# KiCad board mtr_led_system_map.kicad_pcb (continued)
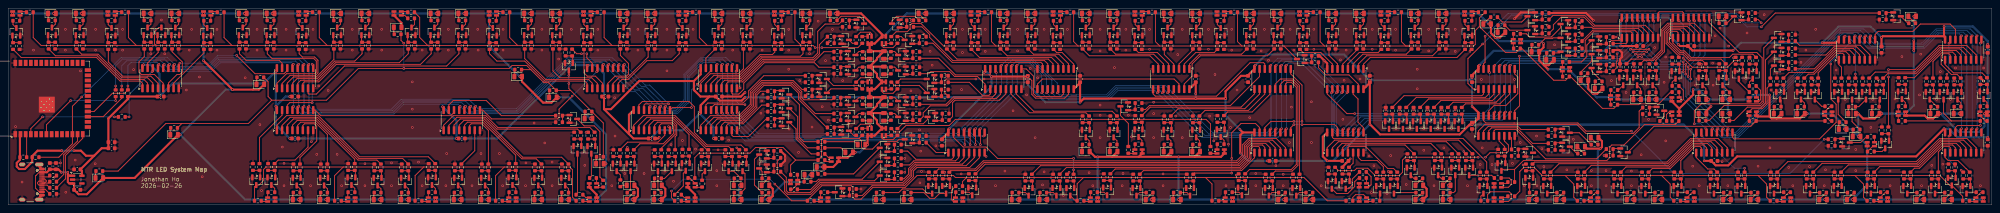
[diagram p0: board, top side]
## Routing (per net, layer and track width the routed paths; a pad name or vN(x,y) marks a point on that pad's centre or on a via; arc(x,y) is an arc through that point) (continued)
/S21/LED_3: length 2.1
  Top w0.2: Q174.3 477.82,25.04 R85.1
/S21/LED_4: length 2.7
  Top w0.2: R86.1 471.96,24.1 Q171.3
/S21/LED_5: length 2.1
  Top w0.2: R68.1 464.22,25.14 Q172.3
/S21/LED_6: length 1.8
  Top w0.2: R88.1 457.82,25.69 Q173.3
/S21/LED_7: length 3.3
  Top w0.2: Q169.3 452.84,24.1 R89.1
/S21/LED_8: length 3
  Top w0.2: R69.1 458.54,13.1 Q170.3
/S22/LED 1/IN: length 12.8
  Top w0.2: U25.15 449.22,41.12 v1(449.5,41.4) ; v1(452,32.1) 452,31.12
  Bottom w0.2: v1(449.5,41.4) 450.1,41.4 452,39.5 452,32.3 452,32.4 v1(452,32.1)
/S22/LED 2/IN: length 4.8
  Top w0.2: U25.1 447.95,34.44 448.6,33.8 448.6,31.12
/S22/LED 3/IN: length 11
  Top w0.2: 442.9,31.12 442.9,32.45 447.65,37.2 448.9,37.2 449.22,36.87 U25.2
/S22/LED 4/IN: length 15.2
  Top w0.2: 439.5,31.12 440.47,32.1 441.9,32.1 447.4,37.6 449.7,37.6 450.5,36.8 U25.3
/S22/LED 5/IN: length 21.9
  Top w0.2: 434.4,31.12 435.77,32.5 441.7,32.5 447.2,38 450.6,38 451.76,36.83 U25.4
/S22/LED 6/IN: length 19.7
  Top w0.2: R605.1 442,33.4 447,38.4 451.5,38.4 453.03,36.86 U25.5
/S22/LED 7/IN: length 19.8
  Top w0.2: R597.1 444.8,36.8 446.8,38.8 452.3,38.8 454.3,36.79 U25.6
/S22/LED 8/IN: length 20.8
  Top w0.2: U25.7 455.57,36.82 453.2,39.2 438.32,39.2 R599.1
/S22/LED_1: length 8.2
  Top w0.2: Q184.3 451.2,20.42 R53.1
/S22/LED_2: length 6.4
  Top w0.2: Q183.3 447.8,22.22 R54.1
/S22/LED_3: length 3.2
  Top w0.2: R35.1 443.76,24.2 Q182.3
/S22/LED_4: length 2.1
  Top w0.2: R56.1 439.52,25.04 Q179.3
/S22/LED_5: length 1.9
  Top w0.2: R57.1 433.82,25.64 Q180.3
/S22/LED_6: length 3.4
  Top w0.2: 431.2,31.12 431.2,33.34 Q181.3
/S22/LED_7: length 24
  Top w0.2: R59.1 422.3,20.7 425.6,24 429,24 430,25 430,35.54 Q177.3
/S22/LED_8: length 32.9
  Top w0.2: Q178.3 429.6,38.54 429.6,25.2 428.8,24.4 419.9,24.4 416.2,20.7 R60.1
/S23/DATA_IN: length 16.5
  Top w0.2: U12.9 368.64,32.15 369.4,31.4 369.4,27.3 366.5,24.4 363.6,24.4 362.29,23.09 U26.14
/S23/LED 1/IN: length 94.4
  Top w0.2: U26.15 361.02,20.67 361.6,20.1 368.5,20.1 384.1,20.1 386.1,18.1 v1(397.2,18.1) ; R627.1 v1(444.4,16.1)
  Bottom w0.2: v1(397.2,18.1) 407.6,7.7 436,7.7 v1(444.4,16.1)
/S23/LED 2/IN: length 48
  Top w0.2: U26.1 359.75,18.15 361.3,19.7 383.9,19.7 386.1,17.5 397.6,17.5 399.1,19 399.1,23.02 R625.1
/S23/LED 3/IN: length 17.9
  Top w0.2: R623.1 370.2,18.5 369.4,19.3 362.2,19.3 361.02,18.12 U26.2
/S23/LED 4/IN: length 17.7
  Top w0.2: R617.1 373,15.1 369.2,18.9 363,18.9 362.29,18.19 U26.3
/S23/LED 5/IN: length 32.9
  Top w0.2: U26.4 363.56,18.16 363.9,18.5 369,18.5 376.2,11.3 388.67,11.3 R619.1
/S23/LED 6/IN: length 3.9
  Top w0.2: 366.2,13.62 366.2,14.3 364.83,15.66 U26.5
/S23/LED 7/IN: length 52.1
  Top w0.2: v1(359.7,11.7) 341.9,11.7 341.2,11 341.2,8 340.4,7.2 334.5,7.2 332.7,9 330,9 329.4,8.4 325.52,8.4 R613.1 ; v1(361.5,11.7) 362.6,12.8 366.7,12.8 367.1,13.2 367.1,14.7 366.1,15.69 U26.6
  Bottom w0.2: v1(361.5,11.7) v1(359.7,11.7)
/S23/LED 8/IN: length 3.5
  Top w0.2: U26.7 367.88,16.42 R615.1
/S23/LED_2: length 2.9
  Top w0.2: R188.1 405.24,21.66 Q191.3
/S23/LED_3: length 6.4
  Top w0.2: R197.1 384.47,17.7 Q190.3
/S23/LED_4: length 2.6
  Top w0.2: R198.1 383.84,12.6 Q187.3
/S24/LED 1/IN: length 80.9
  Top w0.2: v1(429,44.7) 428.2,45.5 R403.1 ; U12.15 361.02,34.62 361.4,35 v1(361.4,41.4)
  Bottom w0.2: v1(361.4,41.4) 367,47 422.8,47 425.1,44.7 v1(429,44.7)
/S24/LED 2/IN: length 116.9
  Top w0.2: U12.1 358.57,28.42 357.2,29.8 357.2,35.9 v1(360.8,39.5) ; R401.1 432.4,47.1 v1(429,43.7)
  Bottom w0.2: v1(429,43.7) 425.5,43.7 422.6,46.6 367.9,46.6 v1(360.8,39.5)
/S24/LED 3/IN: length 24.9
  Top w0.2: U12.2 361.02,27.22 360.6,26.8 341.57,26.8 R399.1
/S24/LED 4/IN: length 22.8
  Top w0.2: U12.3 362.29,27.19 361.5,26.4 344.57,26.4 R393.1
/S24/LED 5/IN: length 20.7
  Top w0.2: R395.1 347.57,26 362.4,26 363.56,27.16 U12.4
/S24/LED 6/IN: length 18.5
  Top w0.2: R397.1 350.57,25.6 363.2,25.6 364.83,27.23 U12.5
/S24/LED 7/IN: length 16.4
  Top w0.2: R389.1 353.57,25.2 364.1,25.2 366.1,27.2 U12.6
/S24/LED 8/IN: length 14.3
  Top w0.2: U12.7 367.38,27.17 365,24.8 356.57,24.8 R391.1
/S24/LED_1: length 2.6
  Top w0.2: Q80.3 420.56,44.6 R173.1
/S24/LED_2: length 2.6
  Top w0.2: Q79.3 464.84,44.6 R174.1
/TCL_Y1: length 171.3
  Top w0.2: 137.62,28.1 137.2,28.52 v1(137.2,29.8) ; 137.62,28.1 R149.1 145.62,20.1 R150.1 ; 137.62,28.1 R148.1 132.22,30 131.1,30 127.9,33.2 ; R145.1 63.6,30.22 63.6,26.6 64.5,25.7 ; 64.5,25.7 58.8,20 42.52,20 ; 64.5,25.7 77.9,25.7 85.7,33.5 v1(96.8,33.5) 122.6,33.5 123.3,34.2 126.9,34.2 127.9,33.2 ; 42.52,20 R144.1 ; 42.52,20 38.6,20 26.9,8.3 R143.1 ; 127.9,33.2 R147.1 ; 96.12,41.9 96.12,40.37 v1(96.8,39.7) ; Q24.3 v1(137.2,31.8)
  Bottom w0.2: v1(137.2,31.8) v1(137.2,29.8) ; v1(96.8,39.7) v1(96.8,33.5)
/TKL_Y1: length 24.4
  Top w0.2: R84.1 475.5,20.6 ; 475.5,20.6 R87.1 ; 475.5,20.6 473.6,22.5 Q176.3
/TKL_Y2: length 4.9
  Top w0.2: Q192.3 453.3,15.3 454.7,16.7 R90.1
/TKL_Y3: length 51.4
  Top w0.2: Q188.3 402.74,19.3 426.42,19.3 R58.1 R55.1
/TKL_Y4: length 53.1
  Top w0.2: 368.62,8.72 370.8,10.9 391.2,10.9 391.9,11.6 391.9,14.2 392.4,14.7 395.4,14.7 400.4,19.7 407.92,19.7 R196.1 ; 368.62,8.72 365.76,8.72 Q189.3 ; 368.62,8.72 R136.1
/TKL_Y5: length 9.5
  Top w0.2: R141.1 330.4,6.6 329.5,5.7 329.5,4.5 327.8,2.8 325.06,2.8 Q185.3
/TWL_Y1: length 288.8
  Top w0.2: 76.12,47.3 76.12,41.07 78.1,39.1 ; 54.8,39.1 78.1,39.1 ; 54.8,39.1 36.2,39.1 ; 54.8,39.1 52.82,41.07 R15.1 ; 78.1,39.1 102.7,39.1 ; v1(199.1,38.6) 207.93,38.6 209,39.67 ; 171.1,39.1 194.1,39.1 ; 171.1,39.1 169.12,41.07 R134.1 ; 171.1,39.1 147.8,39.1 ; 147.8,39.1 145.83,41.07 R131.1 ; 147.8,39.1 124.7,39.1 ; 36.2,39.1 35.8,39.5 35.8,42.5 36.84,43.54 Q8.3 ; 36.2,39.1 31.4,39.1 ; 31.4,39.1 29.42,41.07 29.42,47.3 ; 31.4,39.1 8.1,39.1 6.12,41.07 R9.1 ; 194.1,39.1 197,39.1 v1(197.5,38.6) ; 194.1,39.1 192.53,40.67 R177.1 ; 102.7,39.1 124.7,39.1 ; 102.7,39.1 100.7,41.1 100.7,46.02 R42.1 ; 124.7,39.1 122.72,41.07 R128.1
  Bottom w0.2: v1(197.5,38.6) v1(199.1,38.6)
/TWL_Y2: length 9.7
  Top w0.2: Q40.3 201.94,29.3 208.18,29.3 R189.1
/TWL_Y3: length 71.4
  Top w0.2: 208.22,16.3 199.4,16.3 199,15.9 199,11.82 R195.1 192.7,11 ; 208.22,16.3 209,17.07 ; 208.22,16.3 208.8,15.72 208.8,14.2 209.3,13.7 211.5,13.7 213.4,15.6 217.5,15.6 218,16.1 Q111.3 ; R207.1 191.47,9.77 192.7,11 ; 192.7,11 189.6,14.1 182.9,14.1 181.5,12.7 169.1,12.7 168.03,11.62 R158.1
CLK: length 678
  Top w0.2: v1(311.6,34.3) 311.3,34 U23.11 ; v1(398.2,37) v1(400.3,37) ; v1(419.7,18.7) 419.4,18.4 U13.11 ; U19.11 325.29,27.79 v1(325,27.5) ; v1(176.1,22.5) 175.81,22.79 U7.11 ; U18.11 401.2,45.39 v1(401.5,45.1) ; v1(245.7,34.3) 245.41,34 U22.11 ; v1(254.1,27.5) 254.4,27.79 U21.11 ; U17.11 413.7,45.39 413.9,45.2 v1(414,45.2) ; U24.11 480.3,41.2 v1(480.6,41.5) ; U14.11 329.1,18.4 v1(329.4,18.7) ; U11.11 480.3,18.4 v1(480.6,18.7) ; U9.11 112.91,23.9 v1(113.2,24.2) ; v1(454.6,41.5) 454.3,41.2 U25.11 ; U20.11 282.69,27.79 v1(282.4,27.5) ; v1(236.7,14.8) v1(236.7,18.7) 236.41,18.4 U16.11 ; v1(148.3,34.5) 148,34.2 U5.11 ; U3.11 39.21,34.2 v1(39.5,34.5) ; U10.11 72.1,23.9 v1(72.4,24.2) ; U26.11 366.1,22.5 v1(366.4,22.8) ; v1(159.7,24.2) 159.6,24.2 159.41,24 U8.11 ; U4.11 72.1,34.2 v1(72.4,34.5) ; v1(411.1,33.9) v1(411.1,31.5) ; v1(311.6,18.7) 311.3,18.4 U15.11 ; U12.11 366.1,34 v1(366.4,34.3) ; U6.11 175.81,34.3 176,34.5 v1(176.1,34.5) ; R221.2 v1(26.3,29.2)
  Bottom w0.2: v1(26.3,29.2) 26.3,34.2 27.9,35.8 38.2,35.8 v1(39.5,34.5) 40.4,33.6 49.4,33.6 51.5,35.7 71.2,35.7 v1(72.4,34.5) v1(72.4,24.2) 73.5,23.1 94,23.1 96.4,25.5 111.9,25.5 v1(113.2,24.2) 114.2,23.2 124.5,23.2 137,35.7 147.1,35.7 v1(148.3,34.5) 154.2,28.6 155.3,28.6 v1(159.7,24.2) 160.7,23.2 163.4,23.2 165.8,25.6 165.8,31.9 169.7,35.8 174.8,35.8 v1(176.1,34.5) v1(176.1,22.5) 182.1,16.5 235,16.5 v1(236.7,14.8) ; v1(411.1,31.5) 411.1,27.3 v1(419.7,18.7) 421,17.4 423,17.4 448.4,42.8 453.3,42.8 v1(454.6,41.5) 456.8,39.3 468.45,39.3 471.95,42.8 479.3,42.8 v1(480.6,41.5) v1(480.6,18.7) ; v1(401.5,45.1) 401.5,40.3 v1(398.2,37) 396.3,35.1 367.2,35.1 v1(366.4,34.3) v1(366.4,22.8) 364.8,21.2 331.9,21.2 v1(329.4,18.7) 328.2,17.5 325.4,17.5 324.2,18.7 324.2,26.7 v1(325,27.5) 317.3,35.2 312.5,35.2 v1(311.6,34.3) v1(311.6,18.7) 309.9,17 292.9,17 v1(282.4,27.5) 281.4,28.5 271.4,28.5 269.1,26.2 255.4,26.2 v1(254.1,27.5) 254.1,31.3 250.2,35.2 246.6,35.2 v1(245.7,34.3) 245.7,27.7 v1(236.7,18.7) ; v1(400.3,37) 403.4,33.9 v1(411.1,33.9) 414,36.8 v1(414,45.2)
LATCH: length 674.6
  Top w0.2: U21.12 255.66,27.76 v1(255.4,27.5) ; v1(412.7,45.2) 412.7,45.21 412.44,45.47 412.44,45.97 ; v1(479.3,18.7) 479.03,18.43 U11.12 ; U25.12 453.03,41.23 v1(453.3,41.5) ; U15.12 310.03,18.43 v1(310.3,18.7) ; 158.14,23.27 158.14,23.93 v1(158.4,24.2) ; 146.74,33.57 146.74,34.23 v1(147,34.5) ; v1(38.2,34.5) 37.93,34.23 U3.12 ; U12.12 364.83,34.03 v1(365.1,34.3) ; v1(365.1,22.8) 364.83,22.53 U26.12 ; v1(174.8,34.5) 174.53,34.23 U6.12 ; R222.2 v1(27.8,29.2) ; v1(71.1,24.2) 70.84,23.93 U10.12 ; U16.12 235.14,18.43 v1(235.4,18.7) v1(235.4,14.8) ; 111.64,23.27 111.64,23.93 v1(111.9,24.2) ; 399.94,45.97 399.94,45.36 v1(400.2,45.1) ; v1(174.8,22.5) 174.53,22.76 U7.12 ; v1(326.3,27.5) 326.56,27.76 U19.12 ; v1(410.5,34.5) v1(410.5,32.1) ; v1(244.4,34.3) 244.14,34.03 U22.12 ; v1(71.1,34.5) 70.84,34.23 U4.12 ; v1(418.4,18.7) 418.13,18.43 U13.12 ; v1(328.1,18.7) 327.83,18.43 U14.12 ; v1(479.3,41.5) 479.03,41.23 U24.12 ; v1(283.7,27.5) 283.96,27.76 U20.12 ; U23.12 310.03,34.03 v1(310.3,34.3) ; v1(397.6,37.6) v1(400.9,37.6)
  Bottom w0.2: v1(410.5,32.1) 410.5,26.6 v1(418.4,18.7) 420.1,17 423.2,17 448.6,42.4 452.4,42.4 v1(453.3,41.5) 455.9,38.9 468.65,38.9 472.15,42.4 478.4,42.4 v1(479.3,41.5) v1(479.3,18.7) ; v1(235.4,14.8) 234.1,16.1 181.2,16.1 v1(174.8,22.5) v1(174.8,34.5) 173.9,35.4 169.9,35.4 166.2,31.7 166.2,25.4 163.6,22.8 159.8,22.8 v1(158.4,24.2) 154.4,28.2 153.3,28.2 v1(147,34.5) 146.2,35.3 137.2,35.3 124.7,22.8 113.3,22.8 v1(111.9,24.2) 111,25.1 96.6,25.1 94.2,22.7 72.6,22.7 v1(71.1,24.2) v1(71.1,34.5) 70.3,35.3 51.7,35.3 49.6,33.2 39.5,33.2 v1(38.2,34.5) 37.3,35.4 29,35.4 27.8,34.2 v1(27.8,29.2) ; v1(412.7,45.2) 412.7,36.7 v1(410.5,34.5) 404,34.5 v1(400.9,37.6) ; v1(400.2,45.1) 400.2,40.2 v1(397.6,37.6) 395.5,35.5 366.3,35.5 v1(365.1,34.3) v1(365.1,22.8) 363.9,21.6 331,21.6 v1(328.1,18.7) 327.3,17.9 325.6,17.9 324.6,18.9 324.6,25.8 v1(326.3,27.5) 318.2,35.6 311.6,35.6 v1(310.3,34.3) v1(310.3,18.7) 309,17.4 293.8,17.4 v1(283.7,27.5) 282.3,28.9 271.2,28.9 268.9,26.6 256.3,26.6 v1(255.4,27.5) 255.4,30.6 250.4,35.6 245.7,35.6 v1(244.4,34.3) 244.4,27.7 v1(235.4,18.7)
PWM: length 683.4
  Top w0.2: U1.18 21.02,22.92 25.5,27.4 28.48,27.4 R229.1 v1(29.3,29.2) ; v1(145.7,34.5) 145.47,34.26 U5.13 ; v1(173.5,34.5) 173.27,34.26 U6.13 ; v1(309,34.3) 308.76,34.06 U23.13 ; v1(452,41.5) 451.76,41.26 U25.13 ; v1(285,27.5) 285.23,27.73 U20.13 ; U17.13 411.16,45.43 v1(411.4,45.2) ; U18.13 398.66,45.33 v1(398.9,45.1) ; v1(157.1,24.2) 156.87,23.96 U8.13 ; v1(417.1,18.7) 416.86,18.46 416.86,17.77 ; v1(409.9,35.1) v1(409.9,32.7) ; 256.94,28.42 256.94,27.73 v1(256.7,27.5) ; v1(326.8,18.7) 326.56,18.46 U14.13 ; v1(478,41.5) 477.76,41.26 U24.13 ; U7.13 173.27,22.73 v1(173.5,22.5) ; v1(243.1,34.3) 242.86,34.06 242.86,33.37 ; 233.86,17.77 233.86,18.46 v1(234.1,18.7) v1(234.1,14.8) ; v1(327.6,27.5) 327.83,27.73 U19.13 ; U11.13 477.76,18.46 v1(478,18.7) ; U15.13 308.76,18.36 309,18.6 v1(309,18.7) ; U10.13 69.56,23.96 v1(69.8,24.2) ; U9.13 110.37,23.96 v1(110.6,24.2) ; v1(397,38.2) v1(401.5,38.2) ; U4.13 69.56,34.26 v1(69.8,34.5) ; U3.13 36.66,34.26 v1(36.9,34.5) ; U26.13 363.56,22.56 v1(363.8,22.8) ; v1(363.8,34.3) 363.56,34.06 U12.13
  Bottom w0.2: v1(29.3,29.2) 29.3,34.2 30.1,35 36.4,35 v1(36.9,34.5) 38.6,32.8 49.8,32.8 51.9,34.9 69.4,34.9 v1(69.8,34.5) v1(69.8,24.2) 71.7,22.3 94.4,22.3 96.8,24.7 110.1,24.7 v1(110.6,24.2) 112.4,22.4 124.9,22.4 137.4,34.9 145.3,34.9 v1(145.7,34.5) 152.4,27.8 153.5,27.8 v1(157.1,24.2) 158.9,22.4 163.8,22.4 166.6,25.2 166.6,31.5 170.1,35 173,35 v1(173.5,34.5) v1(173.5,22.5) 180.3,15.7 233.2,15.7 v1(234.1,14.8) ; v1(411.4,45.2) 411.4,36.6 v1(409.9,35.1) 404.6,35.1 v1(401.5,38.2) ; v1(398.9,45.1) 398.9,40.1 v1(397,38.2) 394.7,35.9 365.4,35.9 v1(363.8,34.3) v1(363.8,22.8) 363,22 330.1,22 v1(326.8,18.7) 326.4,18.3 325.8,18.3 325,19.1 325,24.9 v1(327.6,27.5) 319.1,36 310.7,36 v1(309,34.3) v1(309,18.7) 308.1,17.8 294.7,17.8 v1(285,27.5) 283.2,29.3 271,29.3 268.7,27 257.2,27 v1(256.7,27.5) 256.7,29.9 250.6,36 244.8,36 v1(243.1,34.3) 243.1,27.7 v1(234.1,18.7) ; v1(478,18.7) v1(478,41.5) 477.5,42 472.35,42 468.85,38.5 455,38.5 v1(452,41.5) 451.5,42 448.8,42 423.4,16.6 419.2,16.6 v1(417.1,18.7) 409.9,25.9 v1(409.9,32.7)
RESET: length 706
  Top w0.2: U22.10 246.67,34.07 v1(246.9,34.3) ; U8.10 160.68,23.97 v1(160.9,24.2) ; U26.10 367.38,22.57 v1(367.6,22.8) ; U10.10 73.38,23.97 v1(73.6,24.2) ; v1(281.2,27.5) 281.42,27.72 U20.10 ; U21.10 253.13,27.72 v1(252.9,27.5) ; U11.10 481.57,18.47 v1(481.8,18.7) ; v1(398.8,36.4) v1(399.7,36.4) ; v1(402.7,45.1) 402.47,45.32 U18.10 ; v1(367.6,34.3) 367.38,34.07 U12.10 ; U3.10 40.48,34.27 v1(40.7,34.5) ; v1(177.3,34.5) 177.08,34.27 U6.10 ; v1(323.8,27.5) 324.02,27.72 U19.10 ; U5.10 149.28,34.27 v1(149.5,34.5) ; v1(18,26.5) 15.71,24.21 U1.12 15.71,15.01 12.4,11.7 R223.1 ; v1(481.8,41.5) 481.57,41.27 U24.10 ; v1(114.4,24.2) 114.18,23.97 U9.10 ; U15.10 312.57,18.47 v1(312.8,18.7) ; U23.10 312.57,33.97 312.8,34.2 v1(312.8,34.3) ; v1(330.6,18.7) 330.38,18.47 U14.10 ; U17.10 414.97,45.32 415.1,45.2 v1(415.2,45.2) ; U4.10 73.38,34.27 v1(73.6,34.5) ; U7.10 177.08,22.72 v1(177.3,22.5) ; U16.10 237.67,18.47 v1(237.9,18.7) v1(237.9,14.8) ; U13.10 420.67,18.47 v1(420.9,18.7) ; v1(411.7,33.3) v1(411.7,30.9) ; v1(455.8,41.5) 455.57,41.27 U25.10
  Bottom w0.2: v1(237.9,18.7) 246.9,27.7 v1(246.9,34.3) 247.4,34.8 250,34.8 252.9,31.9 v1(252.9,27.5) 254.6,25.8 269.3,25.8 271.6,28.1 280.6,28.1 v1(281.2,27.5) 292.1,16.6 310.7,16.6 v1(312.8,18.7) v1(312.8,34.3) 313.3,34.8 316.5,34.8 v1(323.8,27.5) 323.8,18.5 325.2,17.1 329,17.1 v1(330.6,18.7) 332.7,20.8 365.6,20.8 v1(367.6,22.8) v1(367.6,34.3) 368,34.7 397.1,34.7 v1(398.8,36.4) 402.7,40.3 v1(402.7,45.1) ; v1(237.9,14.8) 235.8,16.9 182.9,16.9 v1(177.3,22.5) v1(177.3,34.5) 175.6,36.2 169.5,36.2 165.4,32.1 165.4,25.8 163.2,23.6 161.5,23.6 v1(160.9,24.2) 156.1,29 155,29 v1(149.5,34.5) 147.9,36.1 136.8,36.1 124.3,23.6 115,23.6 v1(114.4,24.2) 112.7,25.9 96.2,25.9 93.8,23.5 74.3,23.5 v1(73.6,24.2) v1(73.6,34.5) 72,36.1 51.3,36.1 49.2,34 41.2,34 v1(40.7,34.5) 39,36.2 27.7,36.2 v1(18,26.5) ; v1(399.7,36.4) 402.8,33.3 v1(411.7,33.3) 415.2,36.8 v1(415.2,45.2) ; v1(481.8,18.7) v1(481.8,41.5) 480.1,43.2 471.75,43.2 468.25,39.7 457.6,39.7 v1(455.8,41.5) 454.1,43.2 448.2,43.2 422.8,17.8 421.8,17.8 v1(420.9,18.7) 411.7,27.9 v1(411.7,30.9)
Net-(D_DOOR_G1-K): length 2.5
  Top w0.2: R174.2 466.66,44.6 D_DOOR_G1.1
Net-(D_DOOR_Y1-K): length 1.7
  Top w0.2: D_DOOR_Y1.1 418.56,44.71 R173.2
Net-(D_ISL_ADM1-K1): length 1.9
  Top w0.2: R152.2 165.45,1.77 D_ISL_ADM1.2
Net-(D_ISL_ADM1-K2): length 1.6
  Top w0.2: 166.3,0.82 164.9,0.82 R159.2
Net-(D_ISL_ADM_CEN1-K): length 1.7
  Top w0.2: D_ISL_ADM_CEN1.1 158.06,2.89 R161.2
Net-(D_ISL_ADM_WAC1-K): length 1.7
  Top w0.2: D_ISL_ADM_WAC1.1 177.56,2.89 R156.2
Net-(D_ISL_CAB_TIH1-K): length 1.7
  Top w0.2: R110.2 245.56,2.89 D_ISL_CAB_TIH1.1
Net-(D_ISL_CAB_WAC1-K): length 1.7
  Top w0.2: R112.2 219.16,2.89 D_ISL_CAB_WAC1.1
Net-(D_ISL_CEN1-K1): length 1.9
  Top w0.2: D_ISL_CEN1.2 141.35,1.77 R92.2
Net-(D_ISL_CEN1-K2): length 1.6
  Top w0.2: 142.2,0.82 140.8,0.82 R100.2
Net-(D_ISL_CEN_ADM1-K): length 2.5
  Top w0.2: D_ISL_CEN_ADM1.1 153.06,3 R162.2
Net-(D_ISL_CEN_SHW1-K): length 1.7
  Top w0.2: R101.2 135.36,2.89 D_ISL_CEN_SHW1.1
Net-(D_ISL_CHW1-K1): length 2.3
  Top w0.2: D_ISL_CHW1.2 481.5,1.84 482.76,3.1 R96.2
Net-(D_ISL_CHW1-K2): length 1.6
  Top w0.2: R114.2 480.1,0.82 481.5,0.82
Net-(D_ISL_CHW_HFC1-K): length 2.5
  Top w0.2: D_ISL_CHW_HFC1.1 475.46,3 R115.2
Net-(D_ISL_CWB1-K1): length 1.4
  Top w0.2: D_ISL_CWB1.2 231.8,3.02 R95.2
Net-(D_ISL_CWB1-K2): length 4.9
  Top w0.2: R111.2 230.8,3.52 230.8,1.3 231.28,0.82 231.8,0.82
Net-(D_ISL_FOH1-K1): length 1.4
  Top w0.2: R66.2 297.8,3.02 D_ISL_FOH1.2
Net-(D_ISL_FOH1-K2): length 1.6
  Top w0.2: R83.2 297.62,1 297.8,0.82
Net-(D_ISL_FOH_NOP1-K): length 2.5
  Top w0.2: D_ISL_FOH_NOP1.1 312.46,3 R82.2
Net-(D_ISL_FOH_TIH1-K): length 1.7
  Top w0.2: D_ISL_FOH_TIH1.1 285.06,2.89 R106.2
Net-(D_ISL_HFC1-K1): length 2.3
  Top w0.2: R97.2 459.36,3.1 458.1,1.84 D_ISL_HFC1.2
Net-(D_ISL_HFC1-K2): length 1.6
  Top w0.2: 458.1,0.82 456.7,0.82 R117.2
Net-(D_ISL_HFC_CHW1-K): length 2.5
  Top w0.2: R116.2 468.66,3 D_ISL_HFC_CHW1.1
Net-(D_ISL_HFC_SKW1-K): length 2.5
  Top w0.2: R118.2 451.66,3 D_ISL_HFC_SKW1.1
Net-(D_ISL_HKU1-K1): length 1.4
  Top w0.2: 83.18,3.1 83.1,3.02 D_ISL_HKU1.2
Net-(D_ISL_HKU1-K2): length 1.6
  Top w0.2: R73.2 81.7,0.82 83.1,0.82
Net-(D_ISL_HKU_KET1-K): length 1.7
  Top w0.2: D_ISL_HKU_KET1.1 76.36,2.89 R74.2
Net-(D_ISL_HKU_SYP1-K): length 1.7
  Top w0.2: R72.2 89.46,2.89 D_ISL_HKU_SYP1.1
Net-(D_ISL_KET1-K1): length 1.4
  Top w0.2: D_ISL_KET1.2 63.5,3.02 R63.2
Net-(D_ISL_KET1-K2): length 1.6
  Top w0.2: 63.5,0.82 62.1,0.82 R76.2
Net-(D_ISL_KET_HKU1-K): length 1.7
  Top w0.2: R75.2 69.66,2.89 D_ISL_KET_HKU1.1
Net-(D_ISL_NOP1-K1): length 1.6
  Top w0.2: R127.2 333.8,0.82 332.4,0.82
Net-(D_ISL_NOP1-K2): length 4.8
  Top w0.2: D_ISL_NOP1.3 331.67,2.5 329.7,2.5 329.02,1.82 R142.2
Net-(D_ISL_NOP_FOH1-K): length 2.5
  Top w0.2: D_ISL_NOP_FOH1.1 319.16,3 R81.2
Net-(D_ISL_NOP_QUB1-K): length 2.5
  Top w0.2: D_ISL_NOP_QUB1.1 346.06,3 R140.2
Net-(D_ISL_QUB1-K1): length 11.7
  Top w0.2: R124.2 362.02,2.52 362.7,3.2 367.3,3.2 367.8,2.7 367.8,1.5 367.12,0.82 365.4,0.82
Net-(D_ISL_QUB1-K2): length 1.7
  Top w0.2: R135.2 366.65,1.77 D_ISL_QUB1.3
Net-(D_ISL_QUB_NOP1-K): length 1.7
  Top w0.2: D_ISL_QUB_NOP1.1 351.06,2.89 R137.2
Net-(D_ISL_QUB_TAK1-K): length 2.5
  Top w0.2: D_ISL_QUB_TAK1.1 373.86,3 R30.2
Net-(D_ISL_SHW1-K1): length 1.4
  Top w0.2: R93.2 122.5,3.02 D_ISL_SHW1.2
Net-(D_ISL_SHW1-K2): length 1.6
  Top w0.2: 122.5,0.82 121.1,0.82 R103.2
Net-(D_ISL_SHW_CEN1-K): length 1.7
  Top w0.2: R102.2 128.76,2.89 D_ISL_SHW_CEN1.1
Net-(D_ISL_SHW_SYP1-K): length 1.7
  Top w0.2: R104.2 115.76,2.89 D_ISL_SHW_SYP1.1
Net-(D_ISL_SKW1-K1): length 2.3
  Top w0.2: D_ISL_SKW1.2 435.72,3.1 R98.2
Net-(D_ISL_SKW1-K2): length 1.6
  Top w0.2: 434.4,0.82 433,0.82 R120.2
Net-(D_ISL_SKW_HFC1-K): length 2.5
  Top w0.2: R119.2 444.86,3 D_ISL_SKW_HFC1.1
Net-(D_ISL_SKW_SWH1-K): length 2.5
  Top w0.2: R23.2 428.06,3 D_ISL_SKW_SWH1.1
Net-(D_ISL_SWH1-K1): length 2.3
  Top w0.2: D_ISL_SWH1.2 412.12,3.1 R7.2
Net-(D_ISL_SWH1-K2): length 1.6
  Top w0.2: 410.8,0.82 409.4,0.82 R25.2
Net-(D_ISL_SWH_SKW1-K): length 2.5
  Top w0.2: D_ISL_SWH_SKW1.1 421.36,3 R24.2
Net-(D_ISL_SWH_TAK1-K): length 2.5
  Top w0.2: R26.2 404.56,3 D_ISL_SWH_TAK1.1
Net-(D_ISL_SYP1-K1): length 1.4
  Top w0.2: R61.2 102.8,3.02 D_ISL_SYP1.2
Net-(D_ISL_SYP1-K2): length 1.6
  Top w0.2: 102.8,0.82 101.4,0.82 R70.2
Net-(D_ISL_SYP_HKU1-K): length 1.7
  Top w0.2: D_ISL_SYP_HKU1.1 96.16,2.89 R71.2
Net-(D_ISL_SYP_SHW1-K): length 1.7
  Top w0.2: D_ISL_SYP_SHW1.1 109.06,2.89 R105.2
Net-(D_ISL_TAK1-K1): length 2.3
  Top w0.2: D_ISL_TAK1.2 388.52,3.1 R8.2
Net-(D_ISL_TAK1-K2): length 1.6
  Top w0.2: R28.2 387.02,1 387.2,0.82
Net-(D_ISL_TAK_QUB1-K): length 2.5
  Top w0.2: R29.2 380.56,3 D_ISL_TAK_QUB1.1
Net-(D_ISL_TAK_SWH1-K): length 2.5
  Top w0.2: D_ISL_TAK_SWH1.1 397.76,3 R27.2
Net-(D_ISL_TIH1-K1): length 1.4
  Top w0.2: D_ISL_TIH1.2 264.8,3.02 R94.2
Net-(D_ISL_TIH1-K2): length 1.6
  Top w0.2: R108.2 263.4,0.82 264.8,0.82
Net-(D_ISL_TIH_CAB1-K): length 1.7
  Top w0.2: D_ISL_TIH_CAB1.1 252.36,2.89 R109.2
Net-(D_ISL_TIH_FOH1-K): length 2.5
  Top w0.2: D_ISL_TIH_FOH1.1 280.06,3 R107.2
Net-(D_ISL_WAC1-K1): length 1.4
  Top w0.2: R202.2 198.8,3.02 D_ISL_WAC1.2
Net-(D_ISL_WAC1-K2): length 1.6
  Top w0.2: R210.2 197.4,0.82 198.8,0.82
Net-(D_ISL_WAC_ADM1-K): length 2.5
  Top w0.2: R209.2 186.06,3 D_ISL_WAC_ADM1.1
Net-(D_ISL_WAC_CAB1-K): length 1.7
  Top w0.2: R113.2 212.36,2.89 D_ISL_WAC_CAB1.1
Net-(D_KTL_CHH1-K1): length 1.4
  Top w0.2: D_KTL_CHH1.2 337.7,45.27 R154.2
Net-(D_KTL_CHH1-K2): length 1.6
  Top w0.2: D_KTL_CHH1.3 339.1,47.47 R167.2
Net-(D_KTL_CHH_DIH1-K): length 1.7
  Top w0.2: D_KTL_CHH_DIH1.1 329.86,45.41 R168.2
Net-(D_KTL_CHH_KOB1-K): length 1.7
  Top w0.2: R166.2 343.26,45.41 D_KTL_CHH_KOB1.1
Net-(D_KTL_DIH1-K1): length 1.4
  Top w0.2: R155.2 317.8,45.27 D_KTL_DIH1.2
Net-(D_KTL_DIH1-K2): length 1.6
  Top w0.2: R170.2 319.2,47.47 D_KTL_DIH1.3
Net-(D_KTL_DIH_CHH1-K): length 1.7
  Top w0.2: R169.2 323.06,45.41 D_KTL_DIH_CHH1.1
Net-(D_KTL_DIH_WTS1-K): length 1.7
  Top w0.2: D_KTL_DIH_WTS1.1 309.66,45.41 R45.2
Net-(D_KTL_HOM1-K1): length 1.4
  Top w0.2: R64.2 275.7,14.82 D_KTL_HOM1.2
Net-(D_KTL_HOM1-K2): length 1.6
  Top w0.2: D_KTL_HOM1.3 274.15,12.62 274.1,12.67
Net-(D_KTL_HOM_WHA1-K): length 1.7
  Top w0.2: R78.2 282.76,14.69 D_KTL_HOM_WHA1.1
Net-(D_KTL_HOM_YMT1-K): length 1.7
  Top w0.2: D_KTL_HOM_YMT1.1 269.56,14.69 R237.2
Net-(D_KTL_KOB1-K1): length 1.4
  Top w0.2: R153.2 358.2,45.27 D_KTL_KOB1.2
Net-(D_KTL_KOB1-K2): length 1.6
  Top w0.2: D_KTL_KOB1.3 359.6,47.47 R164.2
Net-(D_KTL_KOB_CHH1-K): length 1.7
  Top w0.2: D_KTL_KOB_CHH1.1 350.06,45.41 R165.2
Net-(D_KTL_KOB_NTK1-K): length 2.5
  Top w0.2: D_KTL_KOB_NTK1.1 362.66,46.1 R218.2
Net-(D_KTL_KOT1-K1): length 1.4
  Top w0.2: R4.2 257.5,45.27 D_KTL_KOT1.2
Net-(D_KTL_KOT1-K2): length 1.6
  Top w0.2: D_KTL_KOT1.3 258.9,47.47 R16.2
Net-(D_KTL_KOT_LOF1-K): length 1.7
  Top w0.2: D_KTL_KOT_LOF1.1 262.76,45.41 R52.2
Net-(D_KTL_KOT_SKM1-K): length 1.7
  Top w0.2: R17.2 249.46,45.41 D_KTL_KOT_SKM1.1
Net-(D_KTL_KWT1-K1): length 1.4
  Top w0.2: D_KTL_KWT1.2 380.3,35.02 R203.2
Net-(D_KTL_KWT1-K2): length 1.4
  Top w0.2: D_KTL_KWT1.3 380.3,31.57 R213.2
Net-(D_KTL_KWT_LAT1-K): length 2.5
  Top w0.2: R212.2 386.46,32.3 D_KTL_KWT_LAT1.1
Net-(D_KTL_KWT_NTK1-K): length 1.7
  Top w0.2: D_KTL_KWT_NTK1.1 376.36,37.19 R214.2
Net-(D_KTL_LAT1-K1): length 1.4
  Top w0.2: D_KTL_LAT1.2 392.1,28.12 R228.2
Net-(D_KTL_LAT1-K2): length 1.4
  Top w0.2: R244.2 392.1,24.67 D_KTL_LAT1.3
Net-(D_KTL_LAT_KWT1-K): length 1.7
  Top w0.2: D_KTL_LAT_KWT1.1 388.26,30.19 R211.2
Net-(D_KTL_LAT_YAT1-K): length 1.7
  Top w0.2: D_KTL_LAT_YAT1.1 397.66,27.49 R243.2
Net-(D_KTL_LOF1-K1): length 1.4
  Top w0.2: R34.2 277.5,45.27 D_KTL_LOF1.2
Net-(D_KTL_LOF1-K2): length 1.6
  Top w0.2: R50.2 278.9,47.47 D_KTL_LOF1.3
Net-(D_KTL_LOF_KOT1-K): length 1.7
  Top w0.2: R51.2 269.56,45.41 D_KTL_LOF_KOT1.1
Net-(D_KTL_LOF_WTS1-K): length 1.7
  Top w0.2: D_KTL_LOF_WTS1.1 282.76,45.41 R49.2
Net-(D_KTL_MOK1-K1): length 5
  Top w0.2: D_KTL_MOK1.2 213.83,27.77 214.2,27.4 216.53,27.4 R224.2
Net-(D_KTL_MOK1-K2): length 1.4
  Top w0.2: R232.2 216.03,28.4 D_KTL_MOK1.3
Net-(D_KTL_MOK_PRE1-K): length 1.7
  Top w0.2: D_KTL_MOK_PRE1.1 215.89,32.06 216,32.17
Net-(D_KTL_MOK_YMT1-K): length 1.7
  Top w0.2: 216,24.67 215.89,24.56 D_KTL_MOK_YMT1.1
Net-(D_KTL_NTK1-K1): length 1.4
  Top w0.2: R204.2 368.3,41.92 D_KTL_NTK1.2
Net-(D_KTL_NTK1-K2): length 1.4
  Top w0.2: R216.2 368.3,38.47 D_KTL_NTK1.3
Net-(D_KTL_NTK_KOB1-K): length 1.7
  Top w0.2: D_KTL_NTK_KOB1.1 364.46,43.99 R217.2
Net-(D_KTL_NTK_KWT1-K): length 1.7
  Top w0.2: R215.2 372.76,39.19 D_KTL_NTK_KWT1.1
Net-(D_KTL_PRE1-K1): length 5
  Top w0.2: D_KTL_PRE1.2 213.83,38.97 214.2,38.6 216.53,38.6 217.6,39.67
Net-(D_KTL_PRE1-K2): length 1.4
  Top w0.2: 216.1,39.67 216.03,39.6 D_KTL_PRE1.3
Net-(D_KTL_PRE_MOK1-K): length 1.7
  Top w0.2: D_KTL_PRE_MOK1.1 215.89,35.86 R230.2
Net-(D_KTL_PRE_SKM1-K): length 2.5
  Top w0.2: D_KTL_PRE_SKM1.1 224.46,45.3 R21.2
Net-(D_KTL_SKM1-K1): length 1.4
  Top w0.2: R5.2 237.4,45.27 D_KTL_SKM1.2
Net-(D_KTL_SKM1-K2): length 1.6
  Top w0.2: R19.2 238.8,47.47 D_KTL_SKM1.3
Net-(D_KTL_SKM_KOT1-K): length 1.7
  Top w0.2: D_KTL_SKM_KOT1.1 242.66,45.41 R18.2
Net-(D_KTL_SKM_PRE1-K): length 1.7
  Top w0.2: 229.67,45.3 229.56,45.41 D_KTL_SKM_PRE1.1
Net-(D_KTL_TIK1-K1): length 5
  Top w0.2: D_KTL_TIK1.2 428.42,25.42 428.8,25.8 428.8,28.12 R226.2
Net-(D_KTL_TIK1-K2): length 1.4
  Top w0.2: D_KTL_TIK1.3 427.8,27.62 R238.2